# KiCad board GalaxySparkles.kicad_pcb
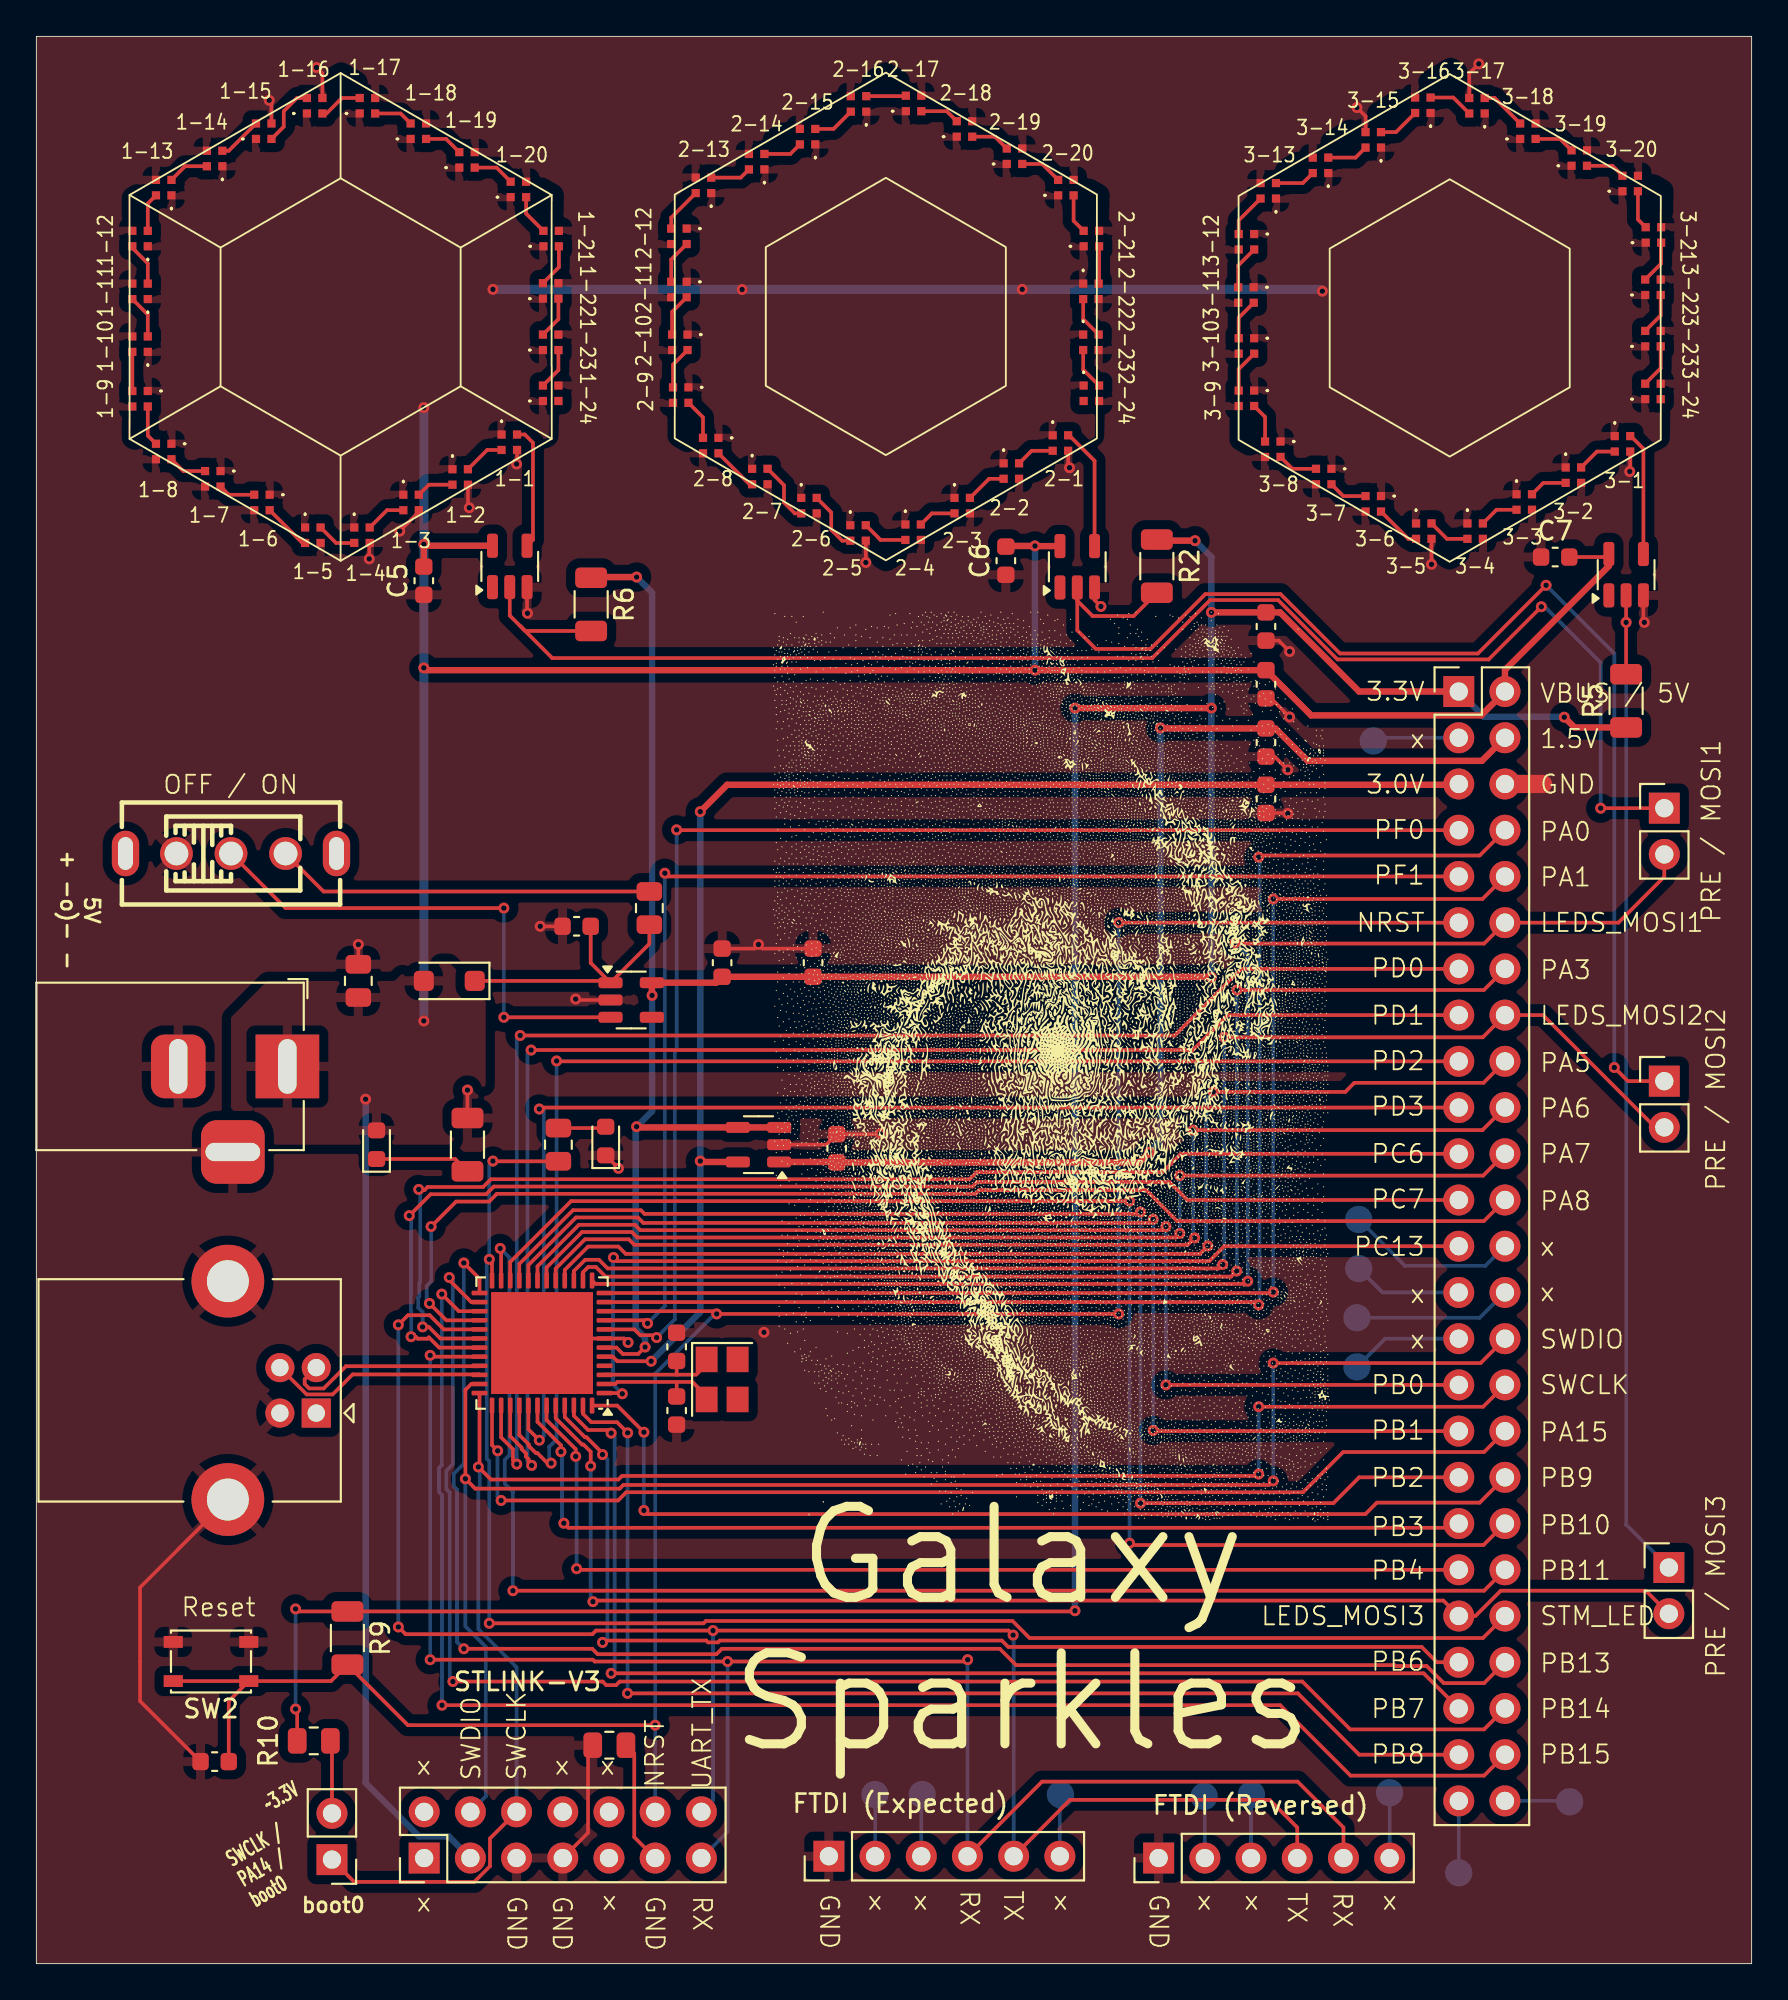
[diagram p0: board, top side]
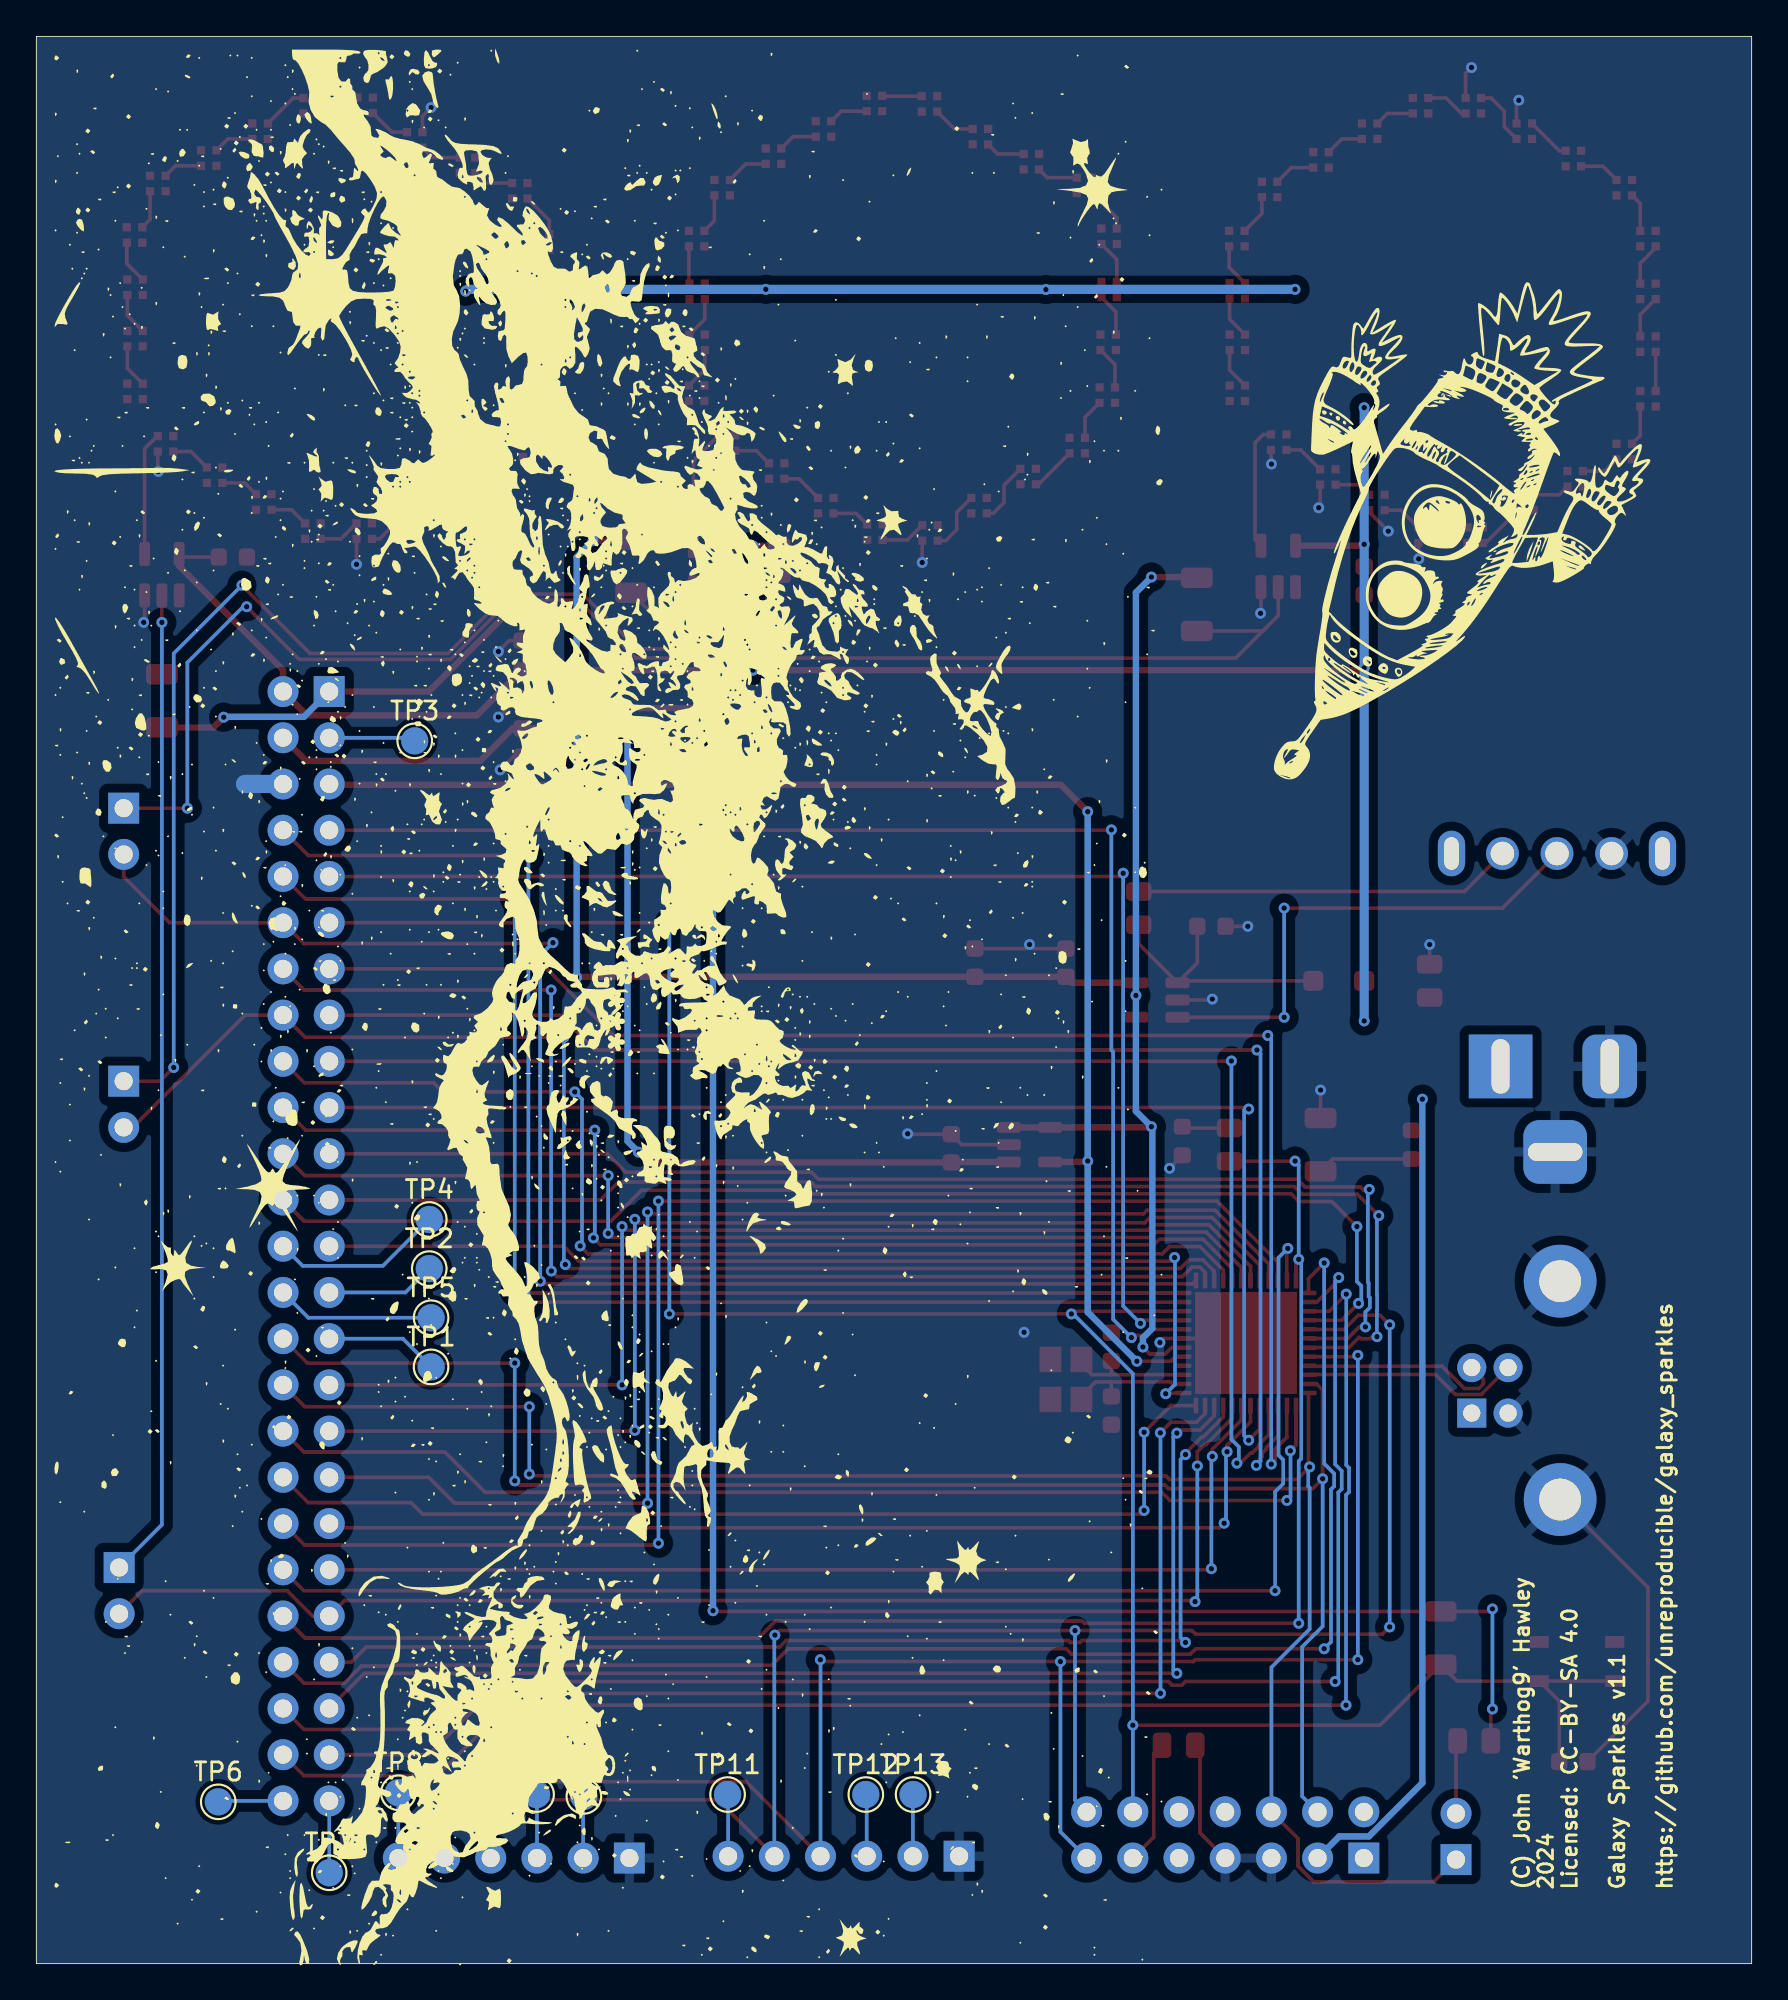
[diagram p1: board, bottom side, seen from below]

Outline 94.3 x 105.9 mm; copper layers: Front, Back. Coordinates in mm from the lower left corner of the outline.
Outline path: rectangle 0,105.9 94.3,0
Stack: Front 0.035mm / dielectric 1.5102mm FR4 er 4.5 / Back 0.035mm

## Placement (name value [footprint] x y rotation side)
C1  10uF  [C_0603_1608Metric]  67.6 64 90 top
C2  10uF  [C_0603_1608Metric]  67.6 73.48 90 top
C3  10uF  [C_0603_1608Metric]  67.6 70.3 270 top
C4  10uF  [C_0603_1608Metric]  67.6 67.1 90 top
C5  0.1uF  [C_0603_1608Metric]  21.3 75.99 90 top  (not fitted)
C6  0.1uF  [C_0603_1608Metric]  53.3 77.09 90 top  (not fitted)
C7  0.1uF  [C_0603_1608Metric]  83.5 77.29 0 top  (not fitted)
C8  10uF  [C_0603_1608Metric]  29.7 57 0 top
C9  10uF  [C_0603_1608Metric]  37.7 55 270 top
C10  10uF  [C_0603_1608Metric]  42.7 55 270 top
C12  6.25pF  [C_0603_1608Metric]  35.2 33.89 270 top
C13  6.25pF  [C_0603_1608Metric]  35.2 30.39 90 top
C14  100nF  [C_0603_1608Metric]  9.8 11.1 180 top
C15  100nF  [C_0603_1608Metric]  44 44.8 270 top
D1  LED-Green-PWR  [LED_0603_1608Metric]  18.7 45 90 top
D3  MBR120HW  [D_SOD-123F]  22.7 54 180 top
D5  LED  [LED_0603_1608Metric]  31.3 45.2 90 top
G***  -  [LOGO]  55.8 49.29 180 top
G***#2  -  [LOGO]  62.91 52.53 90 bottom
J1  Barrel_Jack  [BarrelJack_Horizontal]  13.8 49.3 0 top
J2  STLINK-V3  [PinHeader_2x07_P2.54mm_Vertical]  21.32 5.8 90 top
J3  Debug Header  [PinHeader_2x25_P2.54mm_Vertical]  78.2 69.9 0 top
J4  USB_B  [USB_B_Lumberg_2411_02_Horizontal]  15.39 30.25 180 top
J5  FTDI (Expected)  [PinHeader_1x06_P2.54mm_Vertical]  43.57 5.9 90 top
J6  FTDI (Reversed)  [PinHeader_1x06_P2.54mm_Vertical]  61.7 5.8 90 top
J7  LEDS_MOS1  [PinHeader_1x02_P2.54mm_Vertical]  89.5 63.49 0 top
J8  LEDS_MOSI2  [PinHeader_1x02_P2.54mm_Vertical]  89.5 48.49 0 top
J9  LEDS_MOSI3  [PinHeader_1x02_P2.54mm_Vertical]  89.75 21.77 0 top
J10  boot0  [PinHeader_1x02_P2.54mm_Vertical]  16.25 5.71 180 top
LED1-1  LTST-E133HEGBK  [LTSTE133HEGBK]  26 83.6 270 top
LED1-2  LTST-E133HEGBK  [LTSTE133HEGBK]  23.3 81.69 270 top
LED1-3  LTST-E133HEGBK  [LTSTE133HEGBK]  20.6 80.29 270 top
LED1-4  LTST-E133HEGBK  [LTSTE133HEGBK]  17.9 78.49 270 top
LED1-5  LTST-E133HEGBK  [LTSTE133HEGBK]  15.2 78.49 270 top
LED1-6  LTST-E133HEGBK  [LTSTE133HEGBK]  12.4 80.29 180 top
LED1-7  LTST-E133HEGBK  [LTSTE133HEGBK]  9.7 81.59 180 top
LED1-8  LTST-E133HEGBK  [LTSTE133HEGBK]  7 83.09 180 top
LED1-9  LTST-E133HEGBK  [LTSTE133HEGBK]  5.7 85.99 180 top
LED1-10  LTST-E133HEGBK  [LTSTE133HEGBK]  5.7 88.99 90 top
LED1-11  LTST-E133HEGBK  [LTSTE133HEGBK]  5.7 91.89 90 top
LED1-12  LTST-E133HEGBK  [LTSTE133HEGBK]  5.7 94.79 90 top
LED1-13  LTST-E133HEGBK  [LTSTE133HEGBK]  7 97.59 90 top
LED1-14  LTST-E133HEGBK  [LTSTE133HEGBK]  9.8 99.19 90 top
LED1-15  LTST-E133HEGBK  [LTSTE133HEGBK]  12.5 100.69 0 top
LED1-16  LTST-E133HEGBK  [LTSTE133HEGBK]  15.3 102.09 0 top
LED1-17  LTST-E133HEGBK  [LTSTE133HEGBK]  18.2 102.09 0 top
LED1-18  LTST-E133HEGBK  [LTSTE133HEGBK]  21 100.69 0 top
LED1-19  LTST-E133HEGBK  [LTSTE133HEGBK]  23.68 99.12 0 top
LED1-20  LTST-E133HEGBK  [LTSTE133HEGBK]  26.5 97.49 0 top
LED1-21  LTST-E133HEGBK  [LTSTE133HEGBK]  28.3 94.79 0 top
LED1-22  LTST-E133HEGBK  [LTSTE133HEGBK]  28.28 91.92 0 top
LED1-23  LTST-E133HEGBK  [LTSTE133HEGBK]  28.28 89.09 0 top
LED1-24  LTST-E133HEGBK  [LTSTE133HEGBK]  28.28 86.29 0 top
LED2-1  LTST-E133HEGBK  [LTSTE133HEGBK]  56.3 83.55 270 top
LED2-2  LTST-E133HEGBK  [LTSTE133HEGBK]  53.6 82.02 270 top
LED2-3  LTST-E133HEGBK  [LTSTE133HEGBK]  50.9 80.12 270 top
LED2-4  LTST-E133HEGBK  [LTSTE133HEGBK]  48.2 78.66 270 top
LED2-5  LTST-E133HEGBK  [LTSTE133HEGBK]  45.18 78.62 270 top
LED2-6  LTST-E133HEGBK  [LTSTE133HEGBK]  42.47 80.12 270 top
LED2-7  LTST-E133HEGBK  [LTSTE133HEGBK]  39.78 81.72 270 top
LED2-8  LTST-E133HEGBK  [LTSTE133HEGBK]  37.07 83.42 180 top
LED2-9  LTST-E133HEGBK  [LTSTE133HEGBK]  35.43 86.19 180 top
LED2-10  LTST-E133HEGBK  [LTSTE133HEGBK]  35.38 89.09 180 top
LED2-11  LTST-E133HEGBK  [LTSTE133HEGBK]  35.32 91.99 180 top
LED2-12  LTST-E133HEGBK  [LTSTE133HEGBK]  35.32 94.92 180 top
LED2-13  LTST-E133HEGBK  [LTSTE133HEGBK]  36.68 97.72 90 top
LED2-14  LTST-E133HEGBK  [LTSTE133HEGBK]  39.6 99.02 90 top
LED2-15  LTST-E133HEGBK  [LTSTE133HEGBK]  42.4 100.39 90 top
LED2-16  LTST-E133HEGBK  [LTSTE133HEGBK]  45.2 102.19 90 top
LED2-17  LTST-E133HEGBK  [LTSTE133HEGBK]  48.22 102.22 0 top
LED2-18  LTST-E133HEGBK  [LTSTE133HEGBK]  51.03 100.82 0 top
LED2-19  LTST-E133HEGBK  [LTSTE133HEGBK]  53.78 99.32 0 top
LED2-20  LTST-E133HEGBK  [LTSTE133HEGBK]  56.6 97.59 0 top
LED2-21  LTST-E133HEGBK  [LTSTE133HEGBK]  58 94.79 0 top
LED2-22  LTST-E133HEGBK  [LTSTE133HEGBK]  57.97 91.89 270 top
LED2-23  LTST-E133HEGBK  [LTSTE133HEGBK]  57.97 89.09 270 top
LED2-24  LTST-E133HEGBK  [LTSTE133HEGBK]  58 86.29 270 top
LED3-1  LTST-E133HEGBK  [LTSTE133HEGBK]  87.2 83.51 270 top
LED3-2  LTST-E133HEGBK  [LTSTE133HEGBK]  84.5 81.79 270 top
LED3-3  LTST-E133HEGBK  [LTSTE133HEGBK]  81.8 80.32 270 top
LED3-4  LTST-E133HEGBK  [LTSTE133HEGBK]  79.1 78.72 270 top
LED3-5  LTST-E133HEGBK  [LTSTE133HEGBK]  76.28 78.72 270 top
LED3-6  LTST-E133HEGBK  [LTSTE133HEGBK]  73.5 80.22 180 top
LED3-7  LTST-E133HEGBK  [LTSTE133HEGBK]  70.78 81.72 180 top
LED3-8  LTST-E133HEGBK  [LTSTE133HEGBK]  67.97 83.22 180 top
LED3-9  LTST-E133HEGBK  [LTSTE133HEGBK]  66.53 86.02 180 top
LED3-10  LTST-E133HEGBK  [LTSTE133HEGBK]  66.53 88.89 180 top
LED3-11  LTST-E133HEGBK  [LTSTE133HEGBK]  66.5 91.69 180 top
LED3-12  LTST-E133HEGBK  [LTSTE133HEGBK]  66.53 94.62 180 top
LED3-13  LTST-E133HEGBK  [LTSTE133HEGBK]  67.72 97.42 90 top
LED3-14  LTST-E133HEGBK  [LTSTE133HEGBK]  70.6 98.82 90 top
LED3-15  LTST-E133HEGBK  [LTSTE133HEGBK]  73.5 100.22 90 top
LED3-16  LTST-E133HEGBK  [LTSTE133HEGBK]  76.22 102.12 90 top
LED3-17  LTST-E133HEGBK  [LTSTE133HEGBK]  79.2 102.09 90 top
LED3-18  LTST-E133HEGBK  [LTSTE133HEGBK]  82 100.69 0 top
LED3-19  LTST-E133HEGBK  [LTSTE133HEGBK]  84.82 99.22 0 top
LED3-20  LTST-E133HEGBK  [LTSTE133HEGBK]  87.62 97.82 0 top
LED3-21  LTST-E133HEGBK  [LTSTE133HEGBK]  88.9 94.99 0 top
LED3-22  LTST-E133HEGBK  [LTSTE133HEGBK]  88.88 92.12 0 top
LED3-23  LTST-E133HEGBK  [LTSTE133HEGBK]  88.88 89.29 0 top
LED3-24  LTST-E133HEGBK  [LTSTE133HEGBK]  88.88 86.39 0 top
R1  2.2K  [R_1206_3216Metric]  23.7 45 90 top
R2  100K (NP)  [R_1206_3216Metric]  61.6 76.79 270 top  (not fitted)
R3  100K  [R_0805_2012Metric]  17.7 54 270 top
R4  100K  [R_0805_2012Metric]  33.7 58 270 top
R5  100K (NP)  [R_1206_3216Metric]  87.4 69.39 90 top  (not fitted)
R6  100K (NP)  [R_1206_3216Metric]  30.5 74.69 270 top  (not fitted)
R7  1K  [R_0805_2012Metric]  28.7 45 270 top
R8  100  [R_0805_2012Metric]  31.5 12 180 top
R9  100K (NP)  [R_1206_3216Metric]  17.1 17.89 270 top  (not fitted)
R10  10K  [R_0805_2012Metric]  15.25 12.24 180 top
SW1  SW_SPDT  [SW-TH_SS-12F44-G5]  10.7 61 0 top
SW2  SW_Push  [SW_SPST_PTS810]  9.6 16.6 180 top
TP1  TestPoint  [TestPoint_Pad_D1.5mm]  72.6 32.79 180 bottom
TP2  TestPoint  [TestPoint_Pad_D1.5mm]  72.7 38.19 180 bottom
TP3  TestPoint  [TestPoint_Pad_D1.5mm]  73.5 67.19 180 bottom
TP4  TestPoint  [TestPoint_Pad_D1.5mm]  72.7 40.89 180 bottom
TP5  TestPoint  [TestPoint_Pad_D1.5mm]  72.6 35.49 180 bottom
TP6  TestPoint  [TestPoint_Pad_D1.5mm]  84.3 8.89 180 bottom
TP7  TestPoint  [TestPoint_Pad_D1.5mm]  78.2 4.99 180 bottom
TP8  TestPoint  [TestPoint_Pad_D1.5mm]  74.4 9.39 180 bottom
TP9  TestPoint  [TestPoint_Pad_D1.5mm]  66.8 9.29 180 bottom
TP10  TestPoint  [TestPoint_Pad_D1.5mm]  64.2 9.19 180 bottom
TP11  TestPoint  [TestPoint_Pad_D1.5mm]  56.3 9.29 180 bottom
TP12  TestPoint  [TestPoint_Pad_D1.5mm]  48.7 9.29 180 bottom
TP13  TestPoint  [TestPoint_Pad_D1.5mm]  46.1 9.29 180 bottom
U1  STM32G0B1CEUx  [QFN-48-1EP_7x7mm_P0.5mm_EP5.6x5.6mm]  27.8 34.1 180 top
U2  SN74LV1T34DBV  [SOT-23-5]  26.03 76.77 90 top
U3  SN74LV1T34DBV  [SOT-23-5]  57.23 76.76 90 top
U4  AP2112K-3.3  [SOT-23-5]  32.7 52.95 0 top
U5  SN74LV1T34DBV  [SOT-23-5]  87.4 76.32 90 top
U6  REF2030  [SOT-23-5]  39.7 45 180 top
Y2  32.768kHz  [Crystal_SMD_3225-4Pin_3.2x2.5mm]  37.7 32.1 270 top

## Library data of the parts
C1-C4 C8-C10 = -: Description: Unpolarized capacitor, small symbol; LCSC: C19702; ki_fp_filters: C_*
C5-C7 = -: Description: Unpolarized capacitor, small symbol; ki_fp_filters: C_*
C12 C13 = -: Description: Unpolarized capacitor, small symbol; LCSC: C1678; ki_fp_filters: C_*
C14 C15 = -: Description: Unpolarized capacitor, small symbol; LCSC: C14663; ki_fp_filters: C_*
D1 = -: MFR-PART: C12624; JLCPCB: C12624; LCSC: C12624; ki_fp_filters: LED* LED_SMD:* LED_THT:*
D3 = -: Description: 20V, 1A, 340 mV, Schottky Diode Rectifier, SOD-123F; LCSC: C130880; ki_fp_filters: D*SOD?123F*
D5 = -: Description: Light emitting diode; LCSC: C965808; ki_fp_filters: LED* LED_SMD:* LED_THT:*
J1 = -: Description: DC Barrel Jack with an internal switch; LCSC: C194407; ki_fp_filters: BarrelJack*
J2 = -: Mfg: Amp: 20021111-00014T4LF, Wurth: 62201421121; LCSC: C5156678; ki_fp_filters: Connector*:*_2x??_*
J3 = -: Description: Generic connector, double row, 02x25, odd/even pin numbering scheme (row 1 odd numbers, row 2 even numbers), script generated (kicad-library-utils/schlib/autogen/connector/); LCSC: C7430421; ki_fp_filters: Connector*:*_2x??_*
J4 = -: Description: USB Type B connector; LCSC: C7419810; ki_fp_filters: USB*
J5 J6 = -: Description: Generic connector, single row, 01x06, script generated; LCSC: C5156615; ki_fp_filters: Connector*:*_1x??_*
J7-J10 = -: Description: Generic connector, single row, 01x02, script generated (kicad-library-utils/schlib/autogen/connector/); LCSC: C5360898; ki_fp_filters: Connector*:*_1x??_*
LED1-1-LED1-24 LED2-1-LED2-24 LED3-1-LED3-24 = -: Datasheet: https://optoelectronics.liteon.com/upload/download/DS22-2020-0083/LTST-E133HEGBK.PDF; Description: Red, Green, Blue (RGB) 622nm Red, 526nm Green, 470nm Blue LED Indication - Discrete 0505 (1313 Metric); Description_1: Red, Green, Blue (RGB) 622nm Red, 526nm Green, 470nm Blue LED Indication - Discrete 0505 (1313 Metric); Height: 0.5; Mouser Part Number: 859-LTST-E133HEGBK; Mouser Price/Stock: https://www.mouser.co.uk/ProductDetail/Lite-On/LTST-E133HEGBK?qs=t7xnP681wgXI4F7JZMRUGA%3D%3D; Manufacturer_Name: Lite-On
R1 = -: JLCPCB: C26038; MFR-PART: 1206W4J0222T5E; LCSC: C17948; ki_fp_filters: R_*
R2 R5 R6 R9 = -: JLCPCB: C26038; MFR-PART: 1206W4J0222T5E; LCSC: C26038; ki_fp_filters: R_*
R3 R4 = -: Description: Resistor, US symbol; LCSC: C149504; ki_fp_filters: R_*
R7 R10 = -: Description: Resistor, US symbol; LCSC: C17513; ki_fp_filters: R_*
R8 = -: Description: Resistor, US symbol; LCSC: C17414; ki_fp_filters: R_*
SW1 = -: Description: Switch, single pole double throw; LCSC: C136718
SW2 = -: Description: Push button switch, generic, two pins; LCSC: C221895
TP1-TP13 = -: Description: test point; ki_fp_filters: Pin* Test*
U1 = -: Datasheet: https://www.st.com/resource/en/datasheet/stm32g0b1ce.pdf; Description: STMicroelectronics Arm Cortex-M0+ MCU, 512KB flash, 144KB RAM, 64 MHz, 1.7-3.6V, 44 GPIO, UFQFPN48; LCSC: C2829190; ki_fp_filters: QFN*1EP*7x7mm*P0.5mm*
U2 U3 U5 = -: Datasheet: https://www.ti.com/lit/ds/symlink/sn74lv1t34.pdf; Description: Single Power Supply, Single Buffer GATE, CMOS Logic, Level Shifter, SOT-23-5; LCSC: C100024; ki_fp_filters: SOT?23*
U4 = -: Datasheet: https://www.diodes.com/assets/Datasheets/AP2112.pdf; Description: 600mA low dropout linear regulator, with enable pin, 3.8V-6V input voltage range, 3.3V fixed positive output, SOT-23-5; LCSC: C51118; ki_fp_filters: SOT?23?5*
U6 = -: Datasheet: https://www.ti.com/lit/ds/symlink/ref2033.pdf; Description: 3.0V Low-Drift, Low-Power, Dual-Output, VREF and VREF / 2 Voltage Reference, SOT-23-5; LCSC: C528704; ki_fp_filters: SOT?23*
Y2 = -: Description: Two pin crystal; LCSC: C5280579; ki_fp_filters: Crystal*

## Footprints (pads in the part's own frame, mm; a bottom-side part is the same pattern mirrored in y, then rotated)
BarrelJack_Horizontal
  rect 3.5x3.5 hole 1x3: 1(0,0)
  rrect 3x3.5 hole 1x3: 2(-6,0)
  rrect 3.5x3.5 hole 3x1: 3(-3,-4.7)
C_0603_1608Metric
  rrect 0.9x0.95 smd: 1(-0.775,0) 2(0.775,0)
Crystal_SMD_3225-4Pin_3.2x2.5mm
  rect 1.4x1.2 smd: 1(-1.1,-0.85) 2(1.1,-0.85) 3(1.1,0.85) 4(-1.1,0.85)
D_SOD-123F
  rrect 1.1x1.1 smd: 1(-1.4,0) 2(1.4,0)
LED_0603_1608Metric
  rrect 0.875x0.95 smd: 1(-0.787,0) 2(0.787,0)
LTSTE133HEGBK
  rect 0.45x0.45 smd: 1(-0.425,-0.425) 2(-0.425,0.425) 3(0.425,0.425) 4(0.425,-0.425)
PinHeader_1x02_P2.54mm_Vertical
  rect 1.7x1.7 hole 1: 1(0,0)
  oval 1.7x1.7 hole 1: 2(0,-2.54)
PinHeader_1x06_P2.54mm_Vertical
  rect 1.7x1.7 hole 1: 1(0,0)
  oval 1.7x1.7 hole 1: 2(0,-2.54) 3(0,-5.08) 4(0,-7.62) 5(0,-10.16) 6(0,-12.7)
PinHeader_2x07_P2.54mm_Vertical
  rect 1.7x1.7 hole 1: 1(0,0)
  oval 1.7x1.7 hole 1: 2(2.54,0) 3(0,-2.54) 4(2.54,-2.54) 5(0,-5.08) 6(2.54,-5.08) 7(0,-7.62) 8(2.54,-7.62) 9(0,-10.16) 10(2.54,-10.16) 11(0,-12.7) 12(2.54,-12.7) 13(0,-15.24) 14(2.54,-15.24)
PinHeader_2x25_P2.54mm_Vertical
  rect 1.7x1.7 hole 1: 1(0,0)
  oval 1.7x1.7 hole 1: 2(2.54,0) 3(0,-2.54) 4(2.54,-2.54) 5(0,-5.08) 6(2.54,-5.08) 7(0,-7.62) 8(2.54,-7.62) 9(0,-10.16) 10(2.54,-10.16) 11(0,-12.7) 12(2.54,-12.7) 13(0,-15.24) 14(2.54,-15.24) 15(0,-17.78) 16(2.54,-17.78) 17(0,-20.32) 18(2.54,-20.32) 19(0,-22.86) 20(2.54,-22.86) 21(0,-25.4) 22(2.54,-25.4) 23(0,-27.94) 24(2.54,-27.94) 25(0,-30.48) 26(2.54,-30.48) 27(0,-33.02) 28(2.54,-33.02) 29(0,-35.56) 30(2.54,-35.56) 31(0,-38.1) 32(2.54,-38.1) 33(0,-40.64) 34(2.54,-40.64) 35(0,-43.18) 36(2.54,-43.18) 37(0,-45.72) 38(2.54,-45.72) 39(0,-48.26) 40(2.54,-48.26) 41(0,-50.8) 42(2.54,-50.8) 43(0,-53.34) 44(2.54,-53.34) 45(0,-55.88) 46(2.54,-55.88) 47(0,-58.42) 48(2.54,-58.42) 49(0,-60.96) 50(2.54,-60.96)
QFN-48-1EP_7x7mm_P0.5mm_EP5.6x5.6mm
  rrect 1.13x1.13 smd: (-2.1,2.1) (-2.1,0.7) (-2.1,-0.7) (-2.1,-2.1) (-0.7,2.1) (-0.7,0.7) (-0.7,-0.7) (-0.7,-2.1) (0.7,2.1) (0.7,0.7) (0.7,-0.7) (0.7,-2.1) (2.1,2.1) (2.1,0.7) (2.1,-0.7) (2.1,-2.1)
  rrect 0.875x0.25 smd: 1(-3.438,2.75) 2(-3.438,2.25) 3(-3.438,1.75) 4(-3.438,1.25) 5(-3.438,0.75) 6(-3.438,0.25) 7(-3.438,-0.25) 8(-3.438,-0.75) 9(-3.438,-1.25) 10(-3.438,-1.75) 11(-3.438,-2.25) 12(-3.438,-2.75) 25(3.438,-2.75) 26(3.438,-2.25) 27(3.438,-1.75) 28(3.438,-1.25) 29(3.438,-0.75) 30(3.438,-0.25) 31(3.438,0.25) 32(3.438,0.75) 33(3.438,1.25) 34(3.438,1.75) 35(3.438,2.25) 36(3.438,2.75)
  rrect 0.25x0.875 smd: 13(-2.75,-3.438) 14(-2.25,-3.438) 15(-1.75,-3.438) 16(-1.25,-3.438) 17(-0.75,-3.438) 18(-0.25,-3.438) 19(0.25,-3.438) 20(0.75,-3.438) 21(1.25,-3.438) 22(1.75,-3.438) 23(2.25,-3.438) 24(2.75,-3.438) 37(2.75,3.438) 38(2.25,3.438) 39(1.75,3.438) 40(1.25,3.438) 41(0.75,3.438) 42(0.25,3.438) 43(-0.25,3.438) 44(-0.75,3.438) 45(-1.25,3.438) 46(-1.75,3.438) 47(-2.25,3.438) 48(-2.75,3.438)
  rect 5.6x5.6 smd: 49(0,0)
R_0805_2012Metric
  rrect 1.025x1.4 smd: 1(-0.912,0) 2(0.912,0)
R_1206_3216Metric
  rrect 1.125x1.75 smd: 1(-1.462,0) 2(1.462,0)
SOT-23-5
  rrect 1.325x0.6 smd: 1(-1.137,0.95) 2(-1.137,0) 3(-1.137,-0.95) 4(1.137,-0.95) 5(1.137,0.95)
SW-TH_SS-12F44-G5
  round 1.8 hole 1.3: 1(-3,0) 2(0,0) 3(3,0)
  oval 1.5x2.5 hole 0.8x1.8: 4(5.8,0) 5(-5.8,0)
SW_SPST_PTS810
  rect 1.05x0.65 smd: 1(-2.075,1.075) 1(2.075,1.075) 2(-2.075,-1.075) 2(2.075,-1.075)
TestPoint_Pad_D1.5mm
  round 1.5 smd: 1(0,0)
USB_B_Lumberg_2411_02_Horizontal
  rect 1.6x1.6 hole 0.95: 1(0,0)
  round 1.6 hole 0.95: 2(0,-2.5) 3(2,-2.5) 4(2,0)
  round 4 hole 2.3: 5(4.86,4.75) 5(4.86,-7.25)
